# Altium PCB LimePSB-RPCM_1v3.PcbDoc (part 7 of 10)
Units mm, origin at the board's own origin, x right, y up, seen from the top; angles counter-clockwise.
Board outline 170 x 110 mm, 6 copper layers (Top, L2, L3, L4, L5, Bottom), stack 1.583 mm thick; 946 components, 565 nets, 4035 pads, 1752 vias.
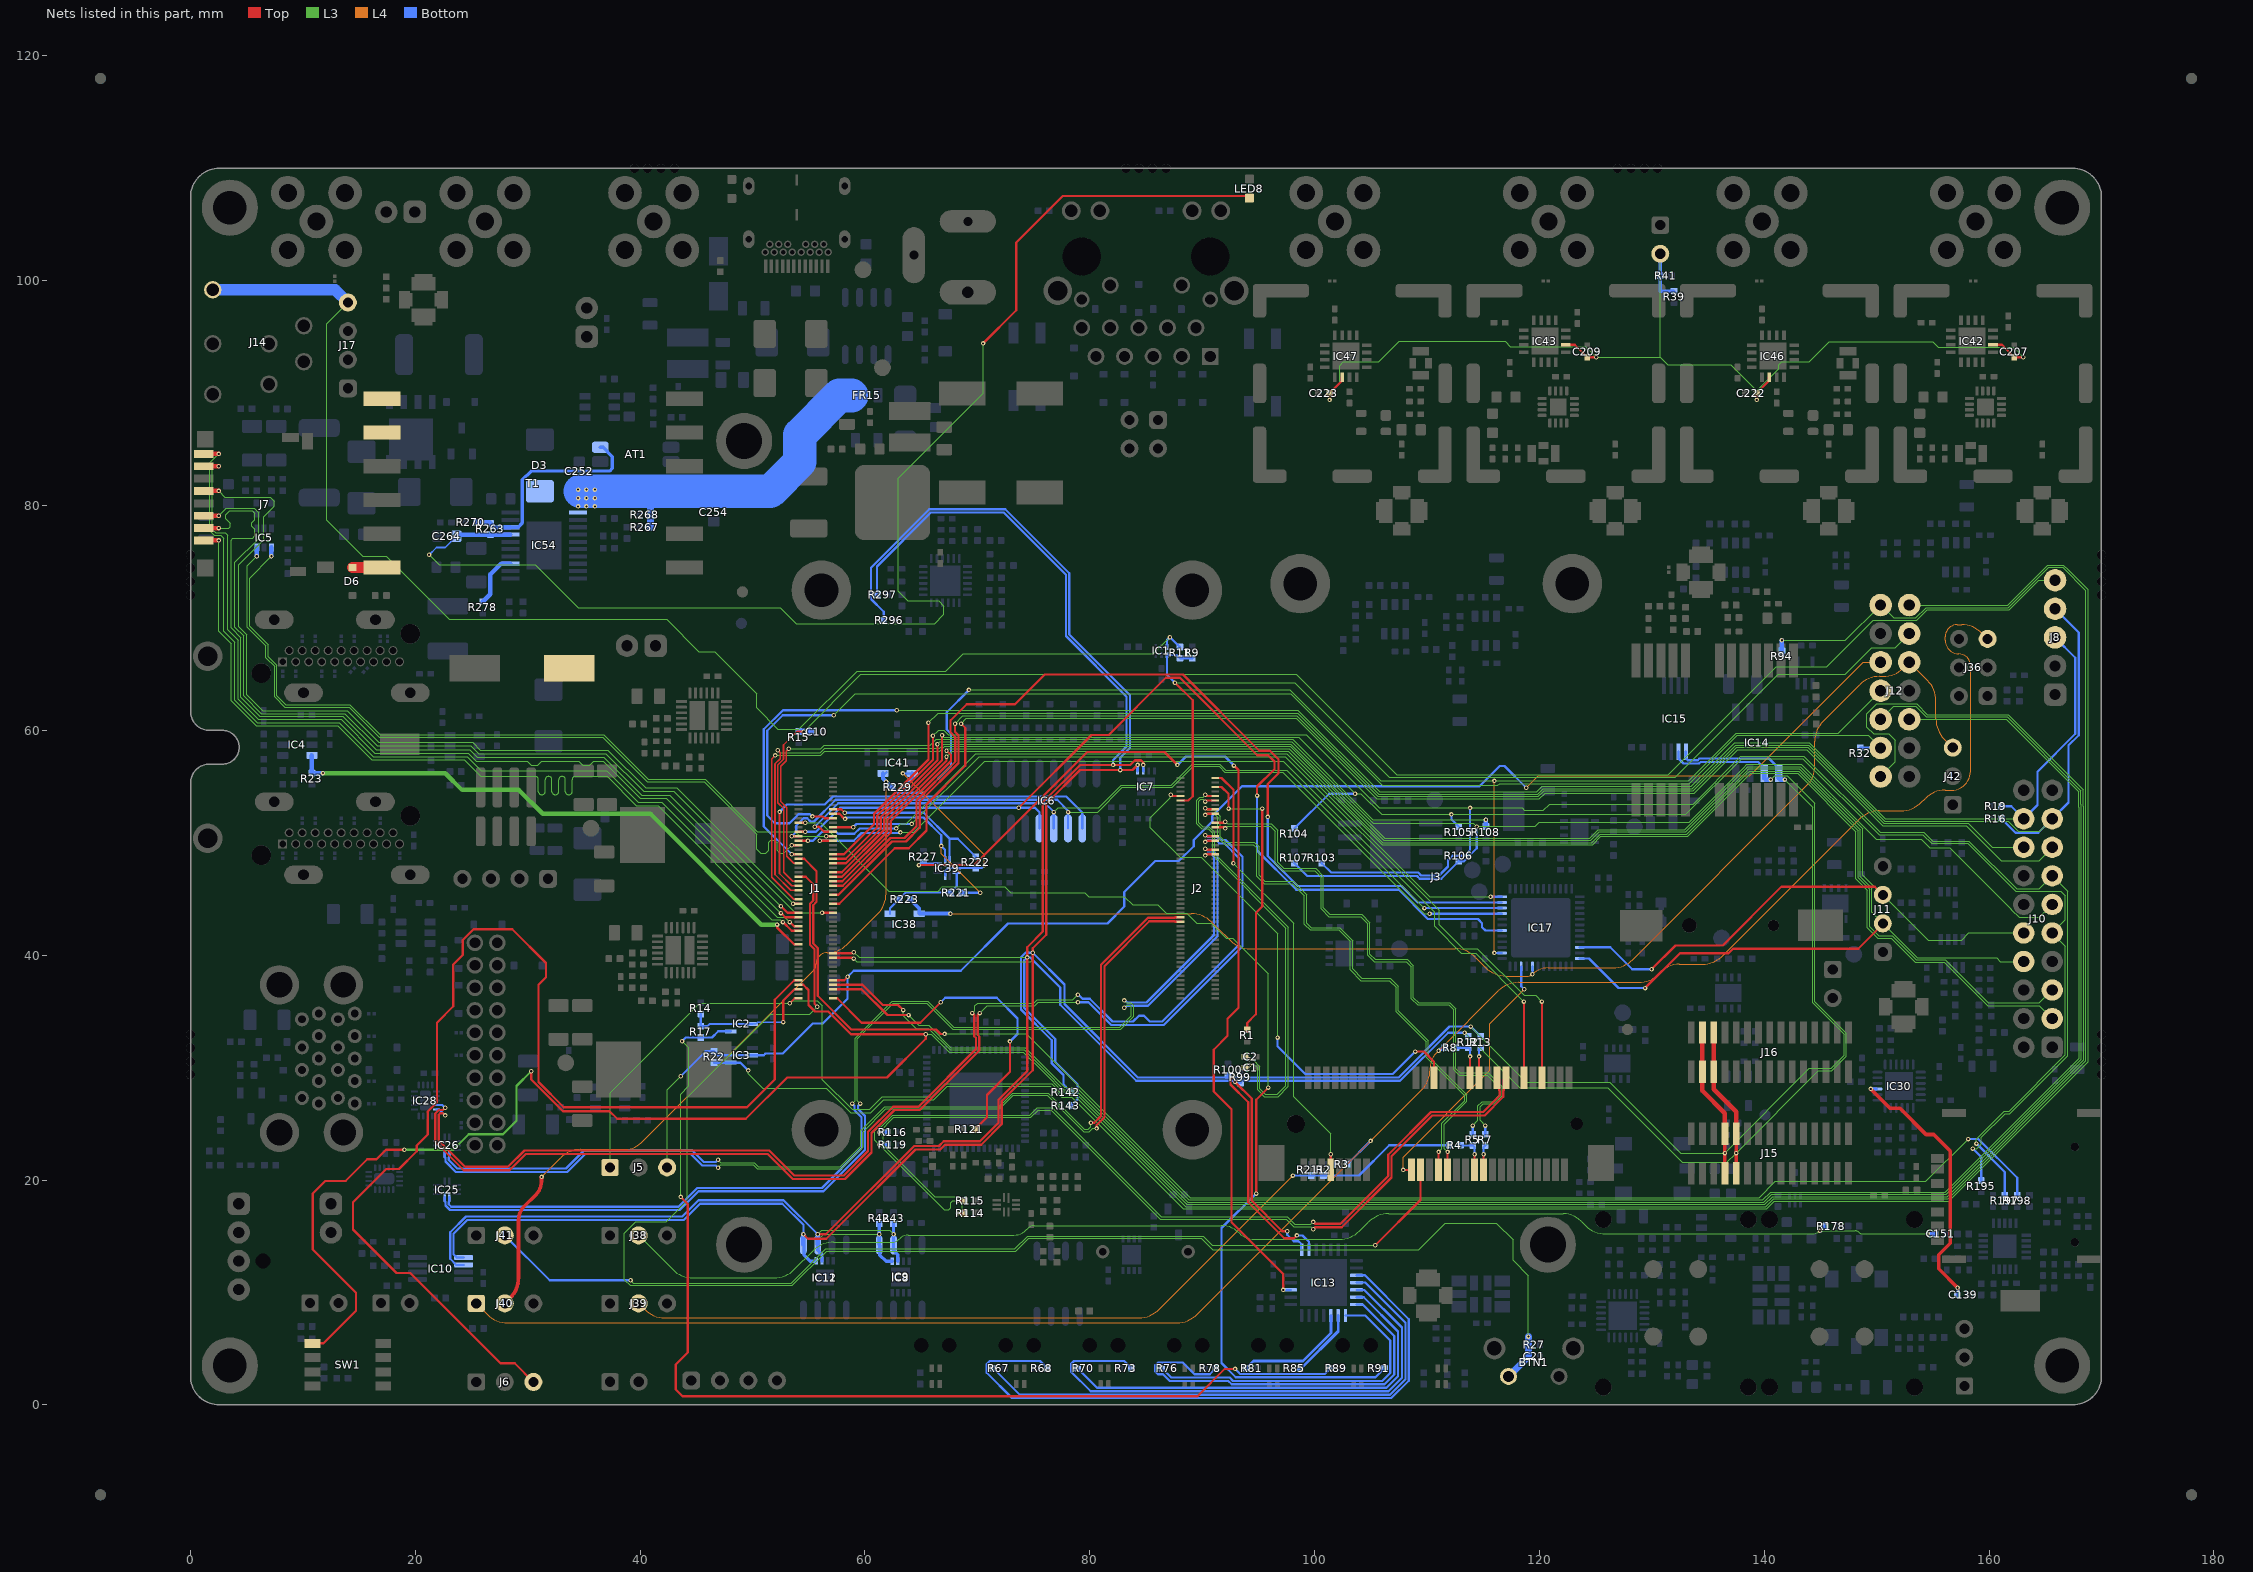
[diagram p11: the nets of this part, all layers, seen from the top]

## Via types
v1: diameter 0.4, hole 0.2, Top to Bottom, tented both sides, 1728 vias
v2: diameter 0.5, hole 0.2, Top to Bottom, tented both sides, 24 vias

## Nets (pads, with @x,y where several pads share a name; then routed paths per layer and width w, separated by ;. In a path a pad name is that pad's centre, name@x,y a point inside that pad or via, vN(x,y) a via of type N, cw(c..) or ccw(c..) an arc to the next point about the centre after c; other vN are vias at no path point) (continued)
PCIE_LED_WPAN: J1.24 J3.46 | length 82.2
  Top w0.2: J1.24@57.165,51.375 v1(58.95,51.375) ; J3.46@120.225,29.1 v1(120.225,35.875)
  L3 w0.1: v1(64.15,51.675) 70.15,57.675 97.383,57.675 111.075,43.983 111.075,42.725 113.229,40.571 114.487,40.571 118.633,36.425 119.675,36.425 v1(120.225,35.875)
  Bottom w0.2: v1(58.95,51.375) 59.25,51.675 v1(64.15,51.675)
PCIE_LED_WWAN: J1.30 J3.42 | length 83.2
  Top w0.2: v1(55.975,50.175) J1.30@57.165,50.175 ; J3.42@118.625,29.1 v1(118.625,35.875)
  L3 w0.1: v1(63.15,50.925) 64.325,50.925 70.675,57.275 97.217,57.275 110.675,43.817 110.675,42.559 113.063,40.171 114.321,40.171 118.617,35.875 v1(118.625,35.875)
  Bottom w0.2: v1(55.975,50.175) 59,50.175 59.7,50.875 63.1,50.875 v1(63.15,50.925)
PCIE_PET0_N: J3.31 R4.1 R5.1 | length 3.3
  Top w0.2: J3.31@114.225,20.9 v1(114.225,22.3)
  Bottom w0.2: R4.1@112.975,23.075 R5.1@114.075,23.075 114.225,22.925 v1(114.225,22.3)
PCIE_PET0_P: J3.33 R7.1 | length 2.2
  Top w0.2: J3.33@115.025,20.9 v1(115.025,22.3)
  Bottom w0.2: v1(115.025,22.3) 115.025,22.925 R7.1@115.175,23.075
PCIE_PPS_IN: J39.2 R2.2 R4.2 R211.1 | length 78.8
  L4 w0.1: J39.2@39.859,9.025 40.39,8.494 ccw(c42.186,10.29) 42.186,7.75 84.373,7.75 ccw(c84.373,10.29) 86.169,8.494 v1(98.075,20.4)
  Bottom w0.2: v1(98.075,20.4) R211.1@99.7,20.4 R2.2@100.8,20.4 103.95,20.4 106.65,23.1 R4.2@111.975,23.1
PCIE_PPS_OUT: J36.5 J40.1 R3.2 R8.2 | length 175.7
  L4 w0.1: J40.1@25.419,9.025 26.4,8.044 ccw(c28.196,9.84) 27.023,7.587 ccw(c28.196,9.84) 28.196,7.3 87.748,7.3 ccw(c87.748,9.84) 89.544,8.044 109.531,28.031 ccw(c107.735,29.827) 110.275,29.827 110.275,30 cw(c112.086,30) 110.805,31.28 v1(111.025,31.5) 116.356,36.831 cw(c118.152,35.035) 118.152,37.575 128.823,37.575 ccw(c128.823,40.115) 130.619,38.319 130.825,38.525 cw(c132.455,36.895) 132.455,39.2 134.498,39.2 ccw(c134.498,41.74) 136.294,39.944 148.456,52.106 cw(c150.252,50.31) 150.252,52.85 152.173,52.85 ccw(c152.173,55.39) 153.969,53.594 154.306,53.931 cw(c156.102,52.135) 156.102,54.675 156.644,54.675 ccw(c156.644,56.381) 158.35,56.381 158.35,65.775 ccw(c157.325,65.775) 157.325,66.8 cw(c157.325,68.025) 156.1,68.025 156.1,68.35 cw(c157.15,68.35) 157.15,69.4 157.559,69.4 cw(c157.559,66.86) 159.355,68.656 J36.5@159.871,68.139
  Bottom w0.2: R3.2@102.9,21.4 v1(104.975,23.475)
  Bottom w0.325: 111.183,31.638 111.438,31.638 R8.2@111.575,31.775
PCIE_SMB_CLK: J3.30 R8.1 R12.1 | length 3.8
  Top w0.2: J3.30@113.825,29.1 v1(113.825,31)
  Bottom w0.2: R8.1@112.575,31.775 R12.1@113.675,31.775 113.825,31.625 v1(113.825,31)
PCIE_SMB_DATA: J3.32 R13.1 | length 2.7
  Top w0.2: J3.32@114.625,29.1 v1(114.625,31)
  Bottom w0.2: v1(114.625,31) 114.625,31.625 R13.1@114.775,31.775
PCIE_UIM8: IC17.46 J3.17 | length 23.4
  Top w0.2: v1(107.875,20.9) J3.17@108.625,20.9
  L4 w0.1: v1(107.875,20.9) 107.875,22.025 115.6,29.75 115.6,33.925 v1(118.65,36.975)
  Bottom w0.2: IC17.46@118.375,39 118.375,37.25 v1(118.65,36.975)
PCIE_UIMC4: J3.19 J41.2 | length 89.6
  Top w0.2: v1(105.4,14.2) 109.425,18.225 J3.19@109.425,20.9
  L3 w0.1: v1(39.15,11.075) 39.4,10.825 53.45,10.825 56.5,13.875 73.342,13.875 74.467,15 90.1,15 90.9,14.2 v1(105.4,14.2)
  Bottom w0.2: J41.2@27.959,15.075 31.959,11.075 v1(39.15,11.075)
PCIE_USB_N: J3.36 R115.2 R119.1 | length 81.1
  Top w0.2: v1(68.25,18.15) R115.2@68.875,18.15 ; v1(99.875,16.275) 100.05,16.1 102.3,16.1 106.55,20.35 106.55,22.249 110.351,26.05 115,26.05 116.475,27.525 116.475,27.926 116.425,27.976 116.425,28.9 J3.36@116.225,29.1
  L3 w0.1: v1(68.25,18.15) 67.825,18.15 67.65,17.975 67.65,17.55 67.45,17.35 67.05,17.35 v1(61.25,23.15) 60.875,23.525 60.875,24.375 61.25,24.75 61.467,24.75 62.492,25.775 74.675,25.775 75.325,26.425 76.65,26.425 86.35,16.725 97.558,16.725 98.233,16.05 99.65,16.05 v1(99.875,16.275)
  Bottom w0.2: v1(61.25,23.15) R119.1@61.975,23.15
PCIE_USB_P: J3.38 R114.2 R116.1 | length 81.6
  Top w0.2: v1(68.252,17.063) R114.2@68.877,17.063 ; v1(99.875,15.625) 100.05,15.8 102.424,15.8 106.85,20.226 106.85,22.125 110.475,25.75 115.124,25.75 116.775,27.401 116.775,27.926 116.825,27.976 116.825,28.9 J3.38@117.025,29.1
  L3 w0.1: v1(68.252,17.063) 68.258,17.063 68.65,17.455 68.65,18.245 68.395,18.5 66.225,18.5 61.625,23.1 61.625,23.875 v1(61.25,24.25) 62.575,25.575 74.758,25.575 75.408,26.225 76.567,26.225 86.267,16.525 97.475,16.525 98.15,15.85 99.65,15.85 v1(99.875,15.625)
  Bottom w0.2: v1(61.25,24.25) R116.1@61.975,24.25
POE_COMP: AT1.4 IC54.18 R263.1 R270.1 | length 19.1
  Bottom w0.3: IC54.18@28.446,78.075 29.15,78.075 29.525,78.45 29.525,82.3 30.3,83.075 37.275,83.075 37.525,83.325 37.525,84.36 36.7,85.185 AT1.4@36.45,85.185
  Bottom w0.4: R270.1@25.45,78.5 26.6,78.5 R263.1@26.675,78.425 27.025,78.075 IC54.18@28.446,78.075
POE_IN+: C252.2 C253.1 C254.2 D3.A FR15.2 IC54.1 R267.2 R268.2 T1.1 T1.2 | length 31.7
  Bottom w0.6: R267.2@40.925,78.075 R268.2@40.925,79.175 40.925,80.7
  Bottom w3: 34.7,81.275 37.3,81.275 38.55,81.275 40.925,81.275 43.325,81.275 46.55,81.275 51.575,81.275 54.2,83.9 54.2,86.3 57.7,89.8 FR15.2@58.8,89.8
  other v1: 34.475,79.925 35.225,79.925 35.975,79.925 34.475,80.675 35.225,80.675 35.975,80.675 34.475,81.425 35.225,81.425 35.975,81.425
POE_NCLASS: IC54.13 R278.2 | length 4.9
  Bottom w0.4: R278.2@26,71.45 26.675,72.125 26.675,73.875 27.625,74.825 IC54.13@28.446,74.825
POE_VDDH: D6.A T1.6 | length 3.4
  Top w1: D6.A@14.4,74.5 T1.6@17.79,74.5
POE_VDDL: C264.2 IC54.17 LED8.A R263.2 | length 120.1
  Top w0.2: v1(70.5,94.425) 73.45,97.375 73.45,103.4 77.6,107.55 94,107.55 LED8.A@94.2,107.35
  L3 w0.1: v1(21.225,75.625) 22.125,74.725 30.675,74.725 34.475,70.925 52.475,70.925 53.9,69.5 66.2,69.5 67.013,70.313 67.013,71.062 66.55,71.525 63.825,71.525 62.975,72.375 62.975,82.45 70.5,89.975 v1(70.5,94.425)
  Bottom w0.15: v1(21.225,75.625) 21.875,76.275 22.65,76.275 C264.2@23.65,77.275 ; C264.2@23.625,77.4 23.625,77.35 C264.2@23.8,77.175
  Bottom w0.4: C264.2@23.625,77.4 23.65,77.425 IC54.17@28.446,77.425
PTP_SYNC_SEL: IC13.3 IC39.10 R227.1 | length 86
  Top w0.2: v1(64.8,48.025) 69.725,48.025 79.775,58.075 86.65,58.075 v1(87.8,56.925) ; v1(92.825,56.875) 93.225,56.475 93.225,35.325 92.25,34.35 92.25,32.825 91.025,31.6 91.025,27.875 92.6,26.3 92.6,16.25 97.2,11.65 v1(97.2,10.225)
  Bottom w0.2: v1(64.8,48.025) 64.925,48.15 IC39.10@66.473,48.15 ; v1(87.8,56.925) 88.55,57.675 92.025,57.675 v1(92.825,56.875) ; v1(97.2,10.225) IC13.3@97.875,10.225
REF_ADF: C139.2 IC30.3 | length 23.8
  Top w0.325: v1(149.475,28.1) 151.175,26.4 152.05,26.4 154.4,24.05 155.075,24.05 156.55,22.575 156.55,14.386 155.525,13.361 155.525,12.1 v1(157.2,10.425)
  Bottom w0.25: v1(149.475,28.1) IC30.3@150,28.1
  Bottom w0.325: C139.2@157.2,9.775 v1(157.2,10.425)
REF_CLK_IN: C151.2 J38.2 R178.2 | length 120.7
  L3 w0.1: J38.2@39.859,15.075 42.89,12.044 ccw(c44.686,13.84) 44.686,11.3 51.923,11.3 ccw(c51.923,13.84) 53.719,12.044 55.406,13.731 cw(c57.202,11.935) 56.113,14.23 cw(c57.202,11.935) 57.202,14.475 62.428,14.475 ccw(c62.428,15.314) 63.021,14.721 63.075,14.775 cw(c63.86,13.99) 63.86,15.1 73.25,15.1 ccw(c73.25,16.669) 74.36,15.56 74.525,15.725 cw(c75.068,15.182) 75.068,15.95 91.706,15.95 cw(c91.706,13.731) 93.275,15.3 ccw(c94.663,16.688) 94.663,14.725 102.198,14.725 ccw(c102.198,17.265) 103.994,15.469 104.774,16.249 cw(c106.588,14.435) 106.588,17 115.255,17 122.131,17 ; 122.132,17 cw(c122.131,14.781) 123.7,16.35 124.106,15.944 ccw(c125.902,17.74) 125.902,15.2 144.286,15.2 ccw(c144.286,16.139) v1(144.95,15.475) 148.098,15.475 cw(c148.098,15.048) 148.4,15.35 ccw(c148.762,15.712) 148.762,15.2 v1(154.525,15.2)
  Bottom w0.3: v1(144.95,15.475) ccw(c144.95,15.656) 145.078,15.528 R178.2@145.45,15.9
  Bottom w0.325: v1(154.525,15.2) C151.2@155.2,15.2
RF_SW_TDD: C207.2 C209.2 C222.1 C223.1 IC42.2 IC43.2 IC46.2 IC47.2 J19.2 R39.1 R41.1 | length 95.4
  Top w0.2: v1(101.325,89.4) 101.325,89.99 102.385,91.05 102.385,91.35 IC47.2@102.45,91.415 ; IC43.2@122.35,94.3 123.15,94.3 C209.2@124.25,93.2 v1(125.05,93.2) ; v1(139.325,89.4) 139.325,89.99 140.385,91.05 140.385,91.35 IC46.2@140.45,91.415 ; IC42.2@160.35,94.3 161.15,94.3 C207.2@162.25,93.2 v1(163.05,93.2)
  L3 w0.1: v1(101.325,89.4) 101.325,89.975 102.225,90.875 102.225,92.45 102.55,92.775 105.725,92.775 107.55,94.6 116.975,94.6 117.425,94.15 124.1,94.15 v1(125.05,93.2) 130.75,93.2 ; J19.2@130.75,102.405 130.75,93.2 ; v1(139.325,89.4) 139.325,90.225 ; v1(163.05,93.2) 162.175,94.075 155.475,94.075 154.975,94.575 145.782,94.575 144.007,92.8 141.55,92.8 141.275,92.525 141.275,92.175 139.325,90.225 ; 130.75,93.2 131.425,92.525 137.025,92.525 139.325,90.225
  Bottom w0.3: J19.2@130.75,102.405 R41.1@130.75,100.45 130.75,99.075 R39.1@131.975,99.075
RPI_AIP0: J1.96 J12.5 | length 165.3
  Top w0.2: J1.96@57.165,36.975 59.7,36.975 62,34.675 v1(63.875,34.675)
  L3 w0.1: v1(63.875,34.675) 64.8,33.75 65.675,33.75 67.65,31.775 74.249,31.775 76.099,29.925 77.774,28.25 78.774,28.25 88.799,18.225 139.876,18.225 140.576,18.925 156.1,18.925 167.975,30.8 167.975,53.15 167.975,54.55 161.543,60.982 J12.5@152.896,60.982
RPI_AIP1: J1.94 J12.6 | length 169.9
  Top w0.2: J1.94@57.165,37.375 59.775,37.375 61.575,35.575 62.946,35.575 v1(63.4,35.121)
  L3 w0.1: v1(63.4,35.121) 63.4,34.625 64.55,33.475 65.667,33.475 67.567,31.575 74.166,31.575 76.016,29.725 77.691,28.05 78.691,28.05 88.716,18.025 139.959,18.025 140.659,18.725 156.183,18.725 168.175,30.717 168.175,53.45 168.175,54.633 161.608,61.2 154.417,61.2 153.467,62.15 151.521,62.15 J12.6@150.354,60.982
RPI_BT_nDISABLE: J1.91 J6.3 | length 104.9
  Top w0.2: J6.3@30.499,2.038 28.837,3.7 27.575,3.7 19.539,11.736 18.314,11.736 14.45,15.6 14.45,18.026 17.399,20.975 18.55,20.975 20.125,22.55 20.125,23.075 21.1,24.05 21.1,26.1 21.749,26.749 21.925,26.925 21.925,34 23.375,35.45 23.375,39.175 24.225,40.025 24.225,41.353 25.172,42.3 28.626,42.3 31.625,39.301 31.625,38.05 30.95,37.375 30.95,28.725 33.2,26.475 49.5,26.475 51.975,28.95 51.975,36.05 53.7,37.775 J1.91@54.085,37.775
RPI_BTN1: BTN1.1 C21.1 J1.45 R27.2 | length 144.3
  Top w0.2: J1.45@54.085,46.975 54.724,46.975 55.395,46.304 55.395,44.871 55.1,44.576 55.1,40.925 55.5,40.525 55.5,35.675 v1(55.75,35.425)
  L3 w0.1: v1(55.75,35.425) 55.075,34.75 51.6,34.75 44.2,27.35 44.2,18.175 42.3,16.275 39.6,16.275 38.6,15.275 38.6,11.13 39.105,10.625 53.533,10.625 56.583,13.675 73.425,13.675 74.55,14.8 89.925,14.8 90.925,13.8 109.25,13.8 111.625,16.175 116.175,16.175 117.65,14.7 117.65,12.875 119.025,11.5 v1(119.025,6.075)
  Bottom w0.6: BTN1.1@117.25,2.53 C21.1@119.025,4.305 R27.2@119.025,5.355 v1(119.025,6.075)
RPI_BTN2: C10.1 J1.47 J8.5 R15.2 | length 141.1
  Top w0.15: J1.47@54.085,46.575 53.575,46.575 52.775,47.375 52.775,53.046 52.25,53.571 52.25,56.925 52.75,57.425 52.75,58.7 53.95,59.9 v1(54.55,59.9)
  L3 w0.1: v1(54.55,59.9) 59.625,64.975 98.375,64.975 107.3,56.05 131.45,56.05 141.05,65.65 145.55,65.65 149.704,69.804 153.579,69.804 154.5,70.725 161.791,70.725 164.426,73.361 J8.5@165.875,73.361
  Bottom w0.5: R15.2@54.1,59.9 C10.1@55.2,59.9
RPI_EEPROM_nWP: J1.20 J12.4 R32.2 | length 122.1
  Top w0.2: v1(55.325,52.35) 56.25,52.35 56.425,52.175 J1.20@57.165,52.175
  L3 w0.1: v1(57.225,61.35) 59.125,63.25 97.867,63.25 106.017,55.1 116.275,55.1 116.45,55.275 133.308,55.275 137.583,59.55 149.243,59.55 J12.4@150.354,58.439
  Bottom w0.2: v1(55.325,52.35) 55.308,52.35 55.108,52.55 54.084,52.55 53.284,51.75 51.976,51.75 51.3,52.426 51.3,59.976 52.674,61.35 v1(57.225,61.35) ; R32.2@148.55,58.45 J12.4@150.343,58.45
RPI_GLOBAL_EN: J1.99 J5.1 J12.14 R94.1 | length 235.3
  Top w0.2: v1(53.3,35.725) 53.75,36.175 J1.99@54.085,36.175
  L3 w0.1: J5.1@37.319,21.125 37.319,27.744 45.3,35.725 v1(53.3,35.725) 53.525,35.95 55.775,35.95 56.212,35.512 56.212,28.938 58.85,26.3 60.425,26.3 61.525,27.4 65.95,27.4 67.1,28.55 76.625,28.55 77.525,27.65 78.525,27.65 88.55,17.625 140.125,17.625 140.825,18.325 156.349,18.325 168.575,30.551 168.575,72.475 166.539,74.511 165.294,74.511 161.708,70.925 154.417,70.925 153.496,70.004 151.504,70.004 J12.14@150.354,71.154 147.225,68.025 v1(141.575,68.025)
  Bottom w0.4: R94.1@141.575,67.075 v1(141.575,68.025)
RPI_GPIO2: J1.58 J10.15 | length 128.7
  Top w0.2: J1.58@57.165,44.575 57.7,44.575 62.65,49.525 63.898,49.525 65.475,51.102 65.475,53.4 68.925,56.85 68.925,60.225 v1(68.55,60.6)
  L3 w0.1: v1(68.55,60.6) 69.025,61.075 98.375,61.075 105.529,53.921 119.996,53.921 120.496,54.421 133.754,54.421 137.633,58.3 143.776,58.3 150.536,51.54 157.985,51.54 161.1,48.425 164.445,48.425 J10.15@165.62,49.6
RPI_GPIO4: J1.54 J10.16 | length 124.8
  Top w0.2: J1.54@57.165,45.375 57.651,45.375 62.401,50.125 63.649,50.125 64.875,51.351 64.875,53.649 68.325,57.099 68.325,59.55 68.019,59.856 v1(68.019,60.6)
  L3 w0.1: v1(68.019,60.6) 68.719,61.3 98.433,61.3 105.611,54.121 119.914,54.121 120.414,54.621 133.671,54.621 137.55,58.5 143.859,58.5 150.619,51.74 158.16,51.74 160.3,49.6 J10.16@163.08,49.6
RPI_GPIO22: J1.46 J10.3 | length 133.4
  Top w0.2: J1.46@57.165,46.975 57.963,46.975 62,51.012 62,52.057 67.252,57.309 v1(67.252,57.65)
  L3 w0.1: v1(67.252,57.65) 67.752,58.15 97.675,58.15 106,49.825 124.725,49.825 125.475,50.575 133.197,50.575 138.797,56.175 142.969,56.175 148.15,50.994 148.15,46.825 149.175,45.8 149.175,42.442 150.092,41.525 151.288,41.525 153.438,39.375 156.017,39.375 159.867,35.525 164.455,35.525 J10.3@165.62,34.36
RPI_GPIO27: J1.48 J10.5 | length 134.5
  Top w0.2: J1.48@57.165,46.575 57.988,46.575 62.3,50.887 62.3,51.933 67.652,57.285 67.652,57.823 v1@67.275,58.2
  L3 w0.1: v1(67.252,58.2) 67.402,58.35 97.758,58.35 106.083,50.025 124.642,50.025 125.392,50.775 133.114,50.775 138.464,56.125 138.714,56.375 143.051,56.375 148.35,51.076 148.35,46.908 149.375,45.883 149.375,42.525 150.175,41.725 151.371,41.725 153.521,39.575 156.1,39.575 159.925,35.75 164.47,35.75 J10.5@165.62,36.9
RPI_I2C0_SCL: IC7.2 IC8.6 IC9.6 IC10.2 IC11.6 IC12.6 IC13.8 IC14.6 IC15.6 J1.80 J15.11 J16.13 R12.2 R43.1 R99.1 R143.2 R297.2 | length 349.2
  Top w0.2: v1(55.79,15.17) 56.52,15.17 64.375,23.025 66.576,23.025 67.001,23.45 70.226,23.45 71.875,25.099 71.875,27.149 74.425,29.699 v1(74.425,39.8) 74.425,40.7 75.825,42.1 75.825,53.6 79.15,56.925 v1(82.075,56.925) 83.6,56.925 84.025,57.35 84.55,57.35 84.75,57.15 v1(84.75,56.925) ; J1.80@57.165,40.175 58.846,40.175 58.946,40.275 v1(59,40.275) ; v1(92.925,28.725) 94.4,27.25 94.4,26.633 94.4,18.175 97.125,15.45 v1(97.575,15.45)
  Top w0.325: J15.11@137.5,20.625 v1(137.5,22.4) J15.11@137.5,24.125
  Top w0.4: J16.13@135.5,33.125 J16.13@135.5,29.625 135.5,28.075 137.5,26.075 J15.11@137.5,24.125
  L3 w0.1: v1(55.79,15.17) 56.14,15.52 62.19,15.52 v1(62.54,15.17) ; v1(59,40.275) 59.475,39.8 v1(74.425,39.8) ; v1(113.337,33.113) 118.25,28.2 126.1,28.2 132.725,21.575 136.675,21.575 v1(137.5,22.4) 144.825,29.725 146.025,29.725 147.3,31 147.3,33.05 144.5,35.85 144.5,53.525 142.05,55.975 140.925,55.975 v1(140.575,55.625)
  Bottom w0.2: IC10.2@24.3,12.45 23.65,12.45 23.1,13 23.1,15.35 24.5,16.75 43.749,16.75 45.199,18.2 52.76,18.2 v1(55.79,15.17) ; R297.2@61.066,72.07 61.066,74.592 65.849,79.375 72.35,79.375 77.875,73.85 77.875,68.4 83.275,63 83.275,58.574 82.075,57.374 v1(82.075,56.925) ; R143.2@78.35,26.625 78.9,27.175 78.9,28.525 76.925,30.5 76.925,32.55 74.175,35.3 74.175,39.55 v1(74.425,39.8) 74.7,39.8 77.367,37.133 77.367,35.583 84.125,28.825 90.701,28.825 107.599,28.825 111.887,33.113 v1(113.337,33.113) R12.2@113.675,32.775 ; v1(97.575,15.45) 97.575,15.125 98.15,14.55 98.575,14.55 98.8,14.325 98.8,13.85 IC13.8@98.85,13.8 ; IC15.6@132.375,58.1 132.375,57.5 132.825,57.05 134.2,57.05 134.35,57.2 139.45,57.2 IC14.6@139.95,56.7
  Bottom w0.25: IC7.2@84.75,56.4 v1(84.75,56.925)
  Bottom w0.3: IC11.6@55.79,14.225 55.79,13.734 56.175,13.349 IC12.6@56.175,12.825 IC12.6@56.175,12.775 ; R43.1@62.54,16.115 v1(62.54,15.17) IC8.6@62.54,14.225 62.54,13.734 62.925,13.349 IC9.6@62.925,12.775
  Bottom w0.4: IC11.6@55.79,14.225 v1(55.79,15.17) ; v1(92.925,28.725) R99.1@93.375,28.725 ; IC14.6@140.01,56.188 140.01,55.765 140.15,55.625 v1(140.575,55.625)
RPI_I2C0_SDA: IC7.1 IC8.5 IC9.5 IC10.1 IC11.5 IC12.5 IC13.9 IC14.5 IC15.5 J1.82 J15.12 J16.14 R13.2 R42.1 R100.1 R142.2 R296.2 | length 354.6
  Top w0.2: v1(54.52,15.17) 54.92,14.77 56.545,14.77 57.663,15.888 64.499,22.725 66.7,22.725 67.125,23.15 70.35,23.15 72.175,24.975 72.175,27.025 74.925,29.775 v1(74.925,40.225) 74.925,40.625 76.125,41.825 76.125,53.476 79.124,56.475 v1(82.712,56.475) 83.8,56.475 v1(84.25,56.925) ; J1.82@57.165,39.775 58.871,39.775 58.946,39.7 v1(59,39.7) ; v1(92.775,29.225) 92.525,28.975 92.525,28.496 94.1,26.921 94.1,18.025 97.3,14.825 98.175,14.825 v1(98.425,15.075)
  Top w0.325: J15.12@136.5,20.625 v1(136.5,22.4) J15.12@136.5,24.125
  Top w0.4: J16.14@134.5,33.125 134.5,27.95 136.5,25.95 J15.12@136.5,24.125
  L3 w0.1: v1(54.52,15.17) 54.87,14.82 55.995,14.82 56.345,15.17 v1(61.27,15.17) ; v1(59,39.7) 59.275,39.425 74.75,39.425 74.925,39.6 v1(74.925,40.225) ; v1(113.9,33.65) 118.85,28.7 126.258,28.7 132.558,22.4 v1(136.5,22.4) 144.025,29.925 145.942,29.925 147.1,31.083 147.1,32.967 144.3,35.767 144.3,53.17 v1(141.845,55.625)
  Bottom w0.2: IC10.1@24.3,13.1 23.7,13.1 23.4,13.4 23.4,15.226 24.624,16.45 43.874,16.45 45.324,17.9 52.636,17.9 54.52,16.016 v1(54.52,15.17) ; R296.2@61.666,69.795 61.666,70.559 60.525,71.7 60.525,74.475 65.725,79.675 72.474,79.675 78.175,73.974 78.175,68.524 83.575,63.124 83.575,58.45 82.712,57.587 v1(82.712,56.475) ; R142.2@78.313,27.862 77.867,28.308 77.65,28.525 77.65,29.35 76.638,30.363 76.625,30.376 76.625,32.426 73.875,35.176 73.875,39.816 74.284,40.225 v1(74.925,40.225) 77.75,37.4 77.75,35.65 84.275,29.125 90.825,29.125 107.475,29.125 112,33.65 v1(113.9,33.65) R13.2@114.775,32.775 ; v1(98.425,15.075) 98.925,15.075 99.5,14.5 IC13.9@99.5,13.8 ; IC15.5@133.025,58.1 133.025,57.525 133.1,57.45 133.2,57.35 134.076,57.35 134.226,57.5 140.425,57.5 141.055,56.87 141.055,56.413 IC14.5@141.28,56.188
  Bottom w0.25: IC7.1@84.25,56.4 v1(84.25,56.925)
  Bottom w0.3: IC11.5@54.52,14.225 54.577,14.168 54.577,13.323 55.125,12.775 IC12.5@55.675,12.775 ; R42.1@61.27,16.115 v1(61.27,15.17) IC8.5@61.27,14.225 61.327,14.168 61.327,13.323 61.875,12.775 IC9.5@62.425,12.775
  Bottom w0.4: IC11.5@54.52,14.225 v1(54.52,15.17) ; R100.1@92.325,29.225 v1(92.775,29.225) ; IC14.5@141.28,56.188 141.28,55.765 141.42,55.625 v1(141.845,55.625)
RPI_ID_SC: J1.35 J8.3 J10.18 R19.1 | length 154.4
  Top w0.2: v1(53.475,48.975) J1.35@54.085,48.975
  L3 w0.1: v1(62.825,61.8) 98.511,61.8 105.789,54.522 119.747,54.522 120.247,55.022 133.505,55.022 137.383,58.9 144.025,58.9 150.785,52.14 J10.18@163.08,52.14
  Bottom w0.2: v1(53.475,48.975) 51,51.45 51,60.1 52.7,61.8 v1(62.825,61.8) ; R19.1@161.1,53.25 161.97,53.25 J10.18@163.08,52.14 164.3,53.36 164.3,56.325 167.675,59.7 167.675,66.475 J8.3@165.875,68.275
RPI_ID_SD: J1.36 J8.4 J10.17 R16.1 | length 150.6
  Top w0.2: J1.36@57.165,48.975 58.125,48.975 60.8,51.65 60.8,52.554 65.65,57.404 v1(65.65,60.672)
  L3 w0.1: v1(65.65,60.672) 66.503,61.525 98.503,61.525 105.706,54.322 119.83,54.322 120.33,54.822 133.588,54.822 137.466,58.7 143.942,58.7 150.702,51.94 161.71,51.94 162.61,51.04 164.52,51.04 J10.17@165.62,52.14
  Bottom w0.2: R16.1@161.1,52.15 162.35,50.9 164.38,50.9 J10.17@165.62,52.14 167.075,53.595 167.075,58.676 167.975,59.576 167.975,68.718 J8.4@165.875,70.818
RPI_LED1_G: IC13.18 R67.1 | length 49.1
  Bottom w0.2: R67.1@71.41,3.253 73.763,0.9 106.7,0.9 108.076,2.276 108.076,7.299 104.5,10.875 IC13.18@103.725,10.875
RPI_LED1_R: IC13.17 R68.1 | length 57.4
  Bottom w0.2: R68.1@76.21,3.253 75.56,3.902 71.102,3.902 70.827,3.627 70.827,2.848 73.075,0.6 106.825,0.6 108.376,2.151 108.376,7.624 104.475,11.525 IC13.17@103.725,11.525
RPI_LED2_G: IC13.20 R70.1 | length 38.6
  Bottom w0.2: R70.1@78.91,3.253 80.638,1.525 106.405,1.525 107.425,2.545 107.425,6.525 104.375,9.575 IC13.20@103.725,9.575